# Altium PCB smart-light.PcbDoc (continued)
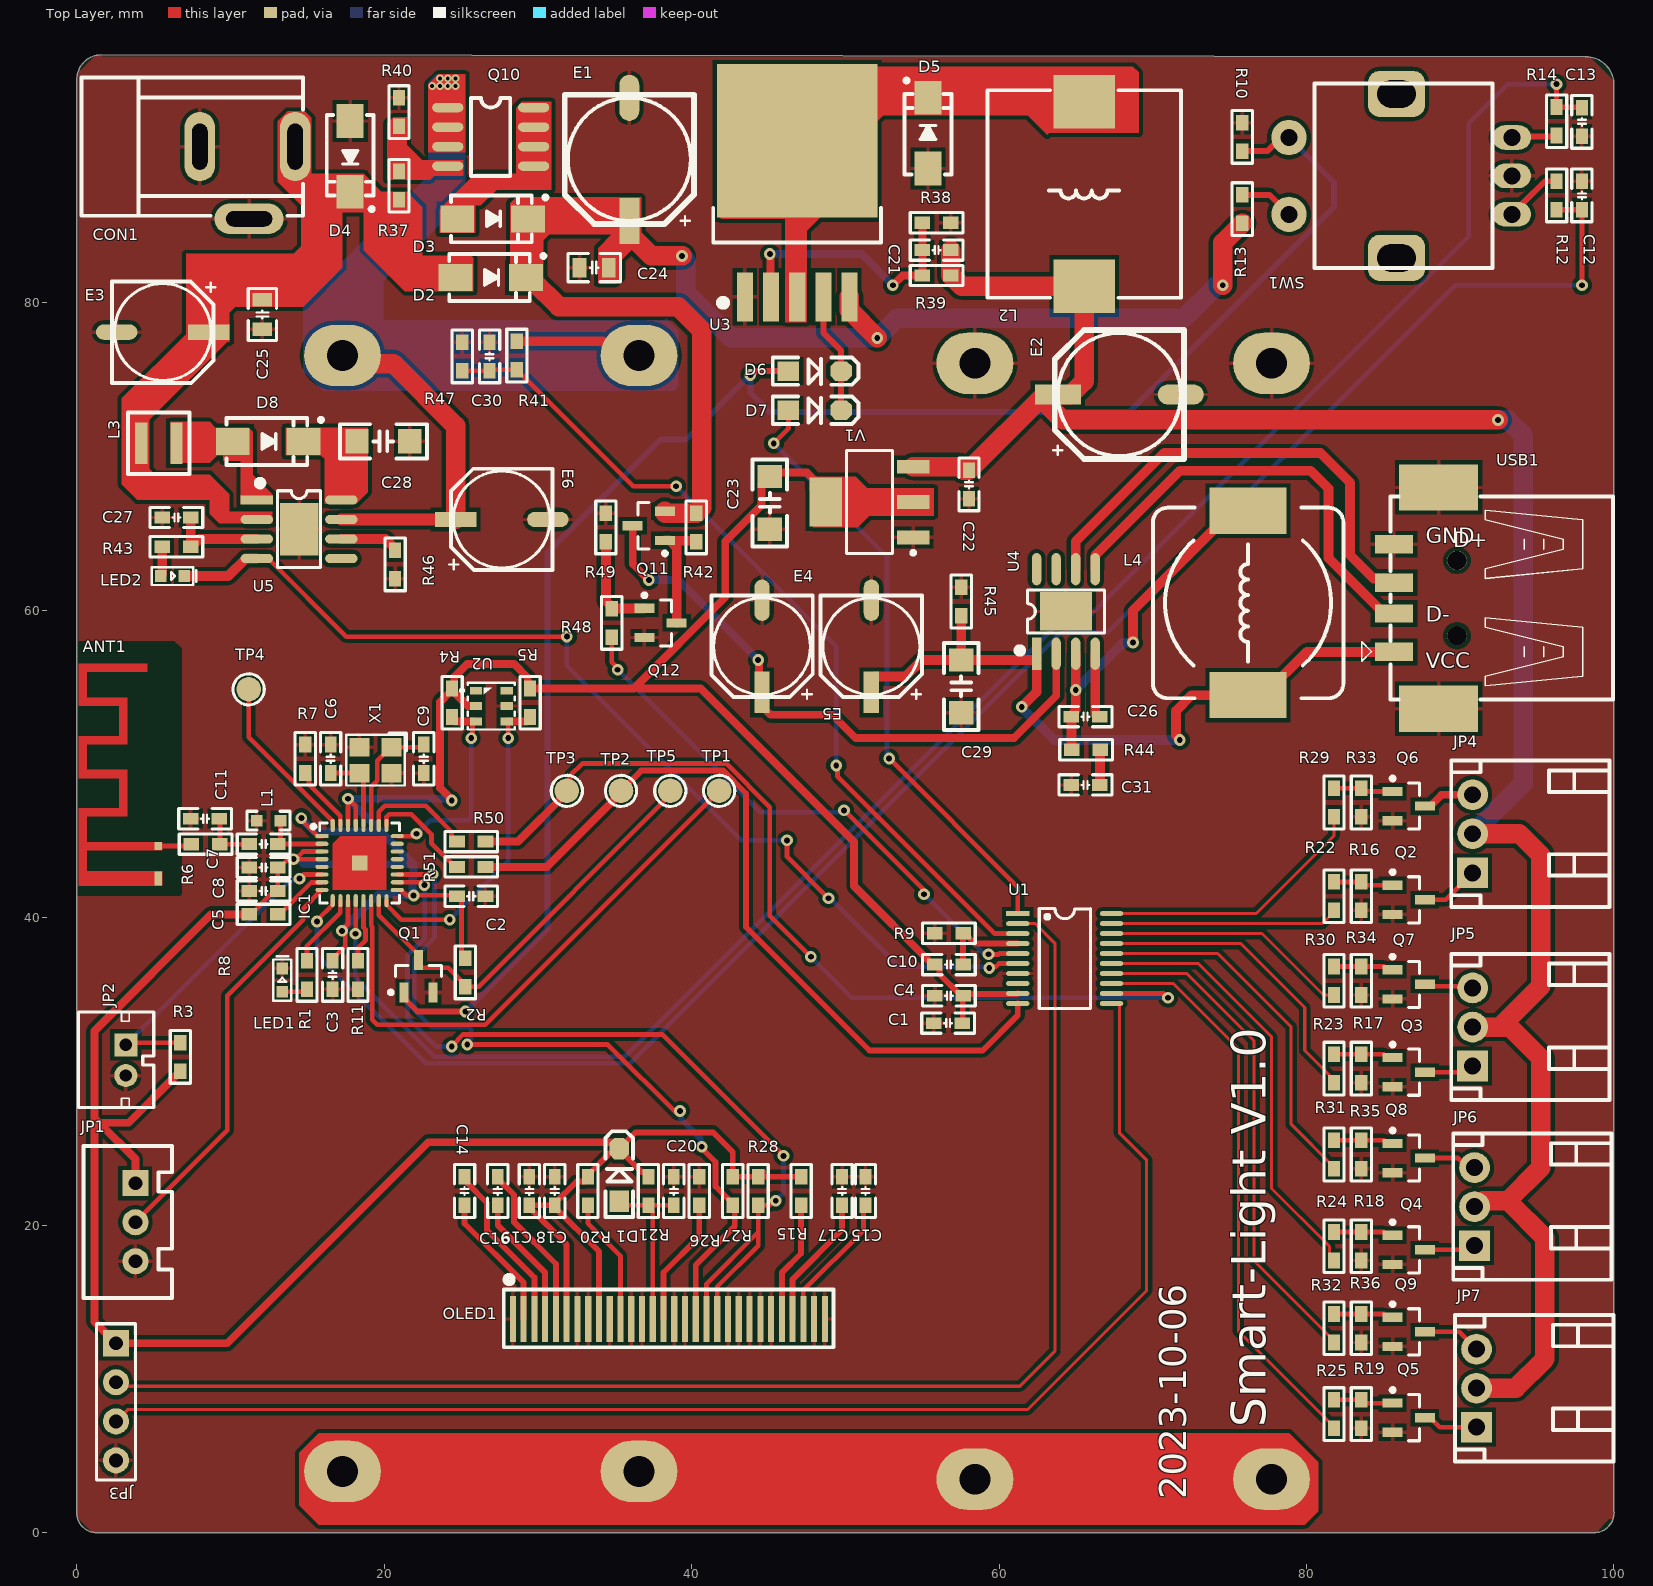
[diagram p0: Top Layer view]
## Footprints (in the part's own frame and the unit in brackets; to place one, negate y for a bottom-side part, rotate by r counter-clockwise, add the part's x,y. Pads: shape width x height; smd on the part's side, far side on the other; paste and mask are expansions set on the pad) (continued)
SMA [mm] "4.5x2.6*2.2mm（长宽高，不包括引脚）联系卖家 免费查找封装"
  rect 2.2x1.75 smd: 1(-2.3,0) 2(2.3,0)
  silkscreen extent -2.7,-1.52 3.56,1.52, body extent -2.55,-1.3 2.55,1.3, height 2.15
SOD-123 [mil] "2.7x1.6X1.1mm（长宽高，不包括引脚） 淘宝ID:黄晶宝石"
  rect 55x50 smd: 1(-67.5,0)
  oct 55x50 smd: 2(67.5,0)
  silkscreen extent -108,-35 112,35, body extent -73,-32 73,31, height 50
SOP-8 [mil] "封装库来自淘宝卖家 ID：黄晶宝石"
  oval 80x24 smd: 1(-110,75) 2(-110,25) 3(-110,-25) 4(-110,-75) 5(110,-75) 6(110,-25) 7(110,25) 8(110,75)
  silkscreen extent -50,-100 50,100, body extent -118,-98 118,98, height 75
SOT23-3N [mm] "SOT23, 3-Leads, Body 2.9x1.3mm, Pitch 0.95mm, Lead Span 2.4mm, IPC Medium Density  联系卖家 免费查找封装"
  rect 1.3x0.6 smd: 1(-1.05,0.95) 2(-1.05,-0.95) 3(1.05,0)
  silkscreen extent -1.17,-1.5 0.7,1.92, body extent -1.2,-1.5 1.2,1.5, height 1.05
SOT223_L [mm] "SOT223, 4-Leads, Body 6.5x3.5mm, Pitch 2.3mm, Lead Span 7mm, IPC High Density"
  rect 2.1x0.9 smd: 1(-2.85,2.3) 2(-2.85,0) 3(-2.85,-2.3)
  rect 2.1x3.2 smd: 4(2.85,0)
  silkscreen extent -2.98,-3.35 1.5,3.42, body extent -3.51,-3.25 3.51,3.25, height 1.65
SSD1306-30Pin [mm] "OLED-30PIN 裸屏"
  rect 0.4x3 smd: 1(-0.005,0.008) 2(0.695,0.008) 3(1.395,0.008) 4(2.095,0.008) 5(2.796,0.008) 6(3.495,0.008) 7(4.195,0.008) 8(4.896,0.008) 9(5.595,0.008) 10(6.295,0.008) 11(6.995,0.008) 12(7.695,0.008) 13(8.395,0.008) 14(9.095,0.008) 15(9.795,0.008) 16(10.495,0.008) 17(11.195,0.008) 18(11.895,0.008) 19(12.595,0.008) 20(13.295,0.008) 21(13.995,0.008) 22(14.695,0.008) 23(15.395,0.008) 24(16.095,0.008) 25(16.795,0.008) 26(17.496,0.008) 27(18.195,0.008) 28(18.895,0.008) 29(19.596,0.008) 30(20.295,0.008)
  silkscreen extent -0.6,-1.83 20.86,2.8
SWPA3015 [mm] "轮廓3mm*3mm ，焊盘间距1.5mm          淘宝ID:黄晶宝石"
  rect 0.8x2.7 smd: 1(-1.15,0) 2(1.15,0)
  silkscreen extent -2,-2 2,2, body extent -1.5,-1.5 1.5,1.5, height 1.5
"TEST 1.6" [mm] "测试点1.6mm"
  round 1.6 smd paste-1.6: 1(0,0)
  silkscreen extent -1.01,-1.02 1.02,1.02
TO263-5A [mm] "263，5脚晶体管"
  rect 1.05x3.2 smd: 1(-3.4,0.254) 2(-1.7,0.254) 3(0,0.254) 4(1.7,0.254) 5(3.4,0.254)
  rect 10.45x10 smd: 6(0,10.414)
  silkscreen extent -5.46,-0.33 5.46,6.04, body extent -5,0.24 5,13.57, height 4.5
TSSOP-20 [mm]
  rect 1.524x0.305 smd: 1(-3.05,2.925)
  oval 1.524x0.305 smd: 2(-3.05,2.275) 3(-3.05,1.625) 4(-3.05,0.975) 5(-3.05,0.325) 6(-3.05,-0.325) 7(-3.05,-0.975) 8(-3.05,-1.625) 9(-3.05,-2.275) 10(-3.05,-2.925) 11(3.05,-2.925) 12(3.05,-2.275) 13(3.05,-1.625) 14(3.05,-0.975) 15(3.05,-0.325) 16(3.05,0.325) 17(3.05,0.975) 18(3.05,1.625) 19(3.05,2.275) 20(3.05,2.925)
  silkscreen extent -1.65,-3.26 1.67,3.24, body extent -3.2,-3.25 3.2,3.25, height 1.03
USB2.0_Type-A_SMD_F_2 [mm] "USB2.0_Type-A贴片母座，无卷边"
  rect 1.2x2.5 smd: 1(-3.5,4.1) 2(-1,4.1) 3(1,4.1) 4(3.5,4.1)
  rect 3x5.15 smd: 4(-7.2,1.2) 4(7.2,1.2)
  round 1.25 hole 1.25 unplated: 7(-2.45,0) 8(2.45,0)
  silkscreen extent -6.6,-10.16 6.61,6.19, body extent -7.75,-9.9 7.75,4.8, height 6.9
XH2.54-LI-3P [mm] "接插件，3P"
  rect 1.7x1.7 hole 0.9: 1(-2.54,0)
  round 1.7 hole 0.9: 2(0,0) 3(2.54,0)
  silkscreen extent -4.95,-3.38 4.93,2.39, body extent -5.04,-3.3 5.04,2.4, height 7
XTAL-3225-4P [mm] "3.2*2.5*0.7mm(长宽高)                             淘宝ID:黄晶宝石"
  rect 1.3x1.2 smd: 1(-1.05,-0.85) 2(1.05,-0.85) 3(1.05,0.85) 4(-1.05,0.85)
  silkscreen extent -2.03,-1.75 1.91,1.65, body extent -1.6,-1.25 1.6,1.25, height 0.7

## Part data
ANT1: "PCB天线"
C1 C2 C3 C4 C5 C6 C7 C8 C9 C10 C11 C12 C13 C14 C15 C16 C17 C18 C19 C20 C21 C22 C23 C24 C25 C26 C27 C28 C29 C30 C31: library part C, "贴片电容/MLCC电容", BOM名称=无极性贴片电容, 联系下单店铺卖家 免费帮你查找封装="联系下单店铺卖家 免费技术支持"
CON1: library part DC002~DC005, "低压电源接口", BOM名称=DC电源接口, 联系下单店铺卖家 免费帮你查找封装=封装库来自淘宝卖家ID：黄晶宝石
D1 D6 D7: "开关二极管", BOM名称=高速开关二极管, 以赠品形式获赠本封装库的买家，还可联系卖家免费指导AD软件使用=封装库来自淘宝卖家ID：黄晶宝石
D2 D3 D5 D8: "肖特基二极管", BOM名称=肖特基二极管, 以赠品形式获赠本封装库的买家，还可联系卖家免费指导AD软件使用=封装库来自淘宝卖家ID：黄晶宝石
  D2 D3 D5: 属性=40V/5A
  D8: 属性=40V/1A
D4: "双向TVS VRWM 12V"
E1 E2 E3 E4 E5 E6: library part CE_SMD, "贴片电解电容", BOM名称=贴片电解电容, 联系下单店铺卖家 免费帮你查找封装="联系下单店铺卖家 免费技术支持"
IC1: "WIFI-芯片 内置Flash", BOM名称=WIFI-芯片, 联系下单店铺卖家 免费帮你查找封装=唯一出售店铺网址https://shop463601444.taobao.com
J1 J2: "18650电池盒"
JP1 JP4 JP5 JP6 JP7: library part "Header 3", "3P接插件", BOM名称=3P接插件, 封装库来自淘宝卖家ID：黄晶宝石=其他店铺购入均为盗版封装库，请立即申请退款，本店现金奖励50~200元, 联系卖家，免费查找封装=唯一出售店铺网址https://shop463601444.taobao.com
JP2: library part "Header 2", "2P接插件", BOM名称=2P接插件, 以赠品形式获赠本封装库的买家，还可联系卖家免费指导AD软件使用="联系卖家 免费技术支持", 联系卖家，免费查找封装=唯一出售店铺网址https://shop463601444.taobao.com
JP3: library part "Header 4", "4P接插件", BOM名称=4P接插件, 封装库来自淘宝卖家ID：黄晶宝石=其他店铺购入均为盗版封装库，请立即申请退款，本店现金奖励50~200元, 联系卖家，免费查找封装=唯一出售店铺网址https://shop463601444.taobao.com
L1: library part L, "贴片小功率电感", BOM名称=小功率贴片电感, 联系下单店铺卖家 免费帮你查找封装="联系下单店铺卖家 免费技术支持"
L2: library part "L-Molding Choke", "一体成型电感", BOM名称=一体成型电感, 联系下单店铺卖家 免费帮你查找封装="联系下单店铺卖家 免费技术支持"
L3: library part L-SWPA, "顺络_SWPA贴片屏蔽电感", BOM名称=功率屏蔽电感, 联系下单店铺卖家 免费帮你查找封装="联系下单店铺卖家 免费技术支持"
L4: library part L-CDRH, "CDRH功率屏蔽电感", BOM名称=功率屏蔽电感, 联系下单店铺卖家 免费帮你查找封装="联系下单店铺卖家 免费技术支持"
LED1 LED2: library part LED, "贴片LED", BOM名称=贴片LED, 封装库来自淘宝卖家：黄晶宝石=其他店铺购入均为盗版封装库，请立即申请退款，本店现金奖励200~1000元
Q1 Q12: library part 8050-SMD, "高频放大-NPN型", 8元以下特价购入的买家=还可以联系卖家远程指导AD软件使用, BOM名称=高频放大-NPN型, 参数="40V 1.5A 1W 100MHZ"
Q2 Q3 Q4 Q5 Q6 Q7 Q8 Q9: "N沟道 30V/4.2A", 8元以下特价购入的买家=还可以联系卖家远程指导AD软件使用, BOM名称=场效应管, 参数="N沟道 30V/4.2A"
Q10: "P沟道 -30V/-9A", 8元以下特价购入的买家="还可以联系卖家 远程指导AD软件使用", BOM名称=P沟道场效应管
Q11: "P沟道 30V/4.2A", 8元以下特价购入的买家=还可以联系卖家远程指导AD软件使用, BOM名称=场效应管, 参数="P沟道 30V/4.2A"
R1 R2 R3 R4 R5 R6 R7 R8 R9 R10 R11 R12 R13 R14 R15 R16 R17 R18 R19 R20 R21 R22 R23 R24 R25 R26 R27 R28 R29 R30 R31 R32 R33 R34 R35 R36 R37 R38 R39 R40 R41 R42 R43 R44 R45 R46 R47 R48 R49 R50 R51: library part R, "贴片电阻", BOM名称=贴片电阻, 联系下单店铺卖家 免费帮你查找封装="联系下单店铺卖家 免费技术支持"
SW1: "数字开关编码器", BOM名称=数字编码开关, 封装库来自淘宝卖家：黄晶宝石=其他店铺购入均为盗版封装库，请立即申请退款，本店现金奖励200~1000元, 联系卖家，免费查找封装=唯一出售店铺网址https://shop463601444.taobao.com
TP1 TP2 TP3 TP4 TP5: library part TEST, "测试点", BOM名称=测试点, 封装库来自淘宝卖家：黄晶宝石=其他店铺购入均为盗版封装库，请立即申请退款，本店现金奖励200~1000元, 联系卖家，免费查找封装=唯一出售店铺网址https://shop463601444.taobao.com
U1: "HK32F030M 系列使用 ARM® CortexTM-M0 内核，最高工作频率 32MHz，内置 16K-Byte / FLASH、448-Byte EEPROM 和 2-KByte SRAM。通过 FLASH 控制器的寄存器配置，可实 / 现中断向量在 16K-Byte 空间内的重映射。"
U2: "IIC接口 温湿度传感器"
U3: "降压芯片5A   xl4003 4A", 封装库来自淘宝卖家：黄晶宝石=其他店铺购入的买家，请立即申请退款，本店现金奖励200~1000元
U4: "快充芯片", 封装库来自淘宝卖家：黄晶宝石=其他店铺购入的买家，请立即申请退款，本店现金奖励200~1000元
U5: "2节锂电池充电芯片"
USB1: library part USB2.0_Type-A_F, "USB2.0_Type-A母座", BOM名称=USB2.0_Type-A母座, 联系下单店铺卖家 免费帮你查找封装=封装库来自淘宝卖家ID：黄晶宝石
V1: library part AMS1117, "三端稳压芯片", BOM名称=稳压芯片, 封装库来自淘宝卖家：黄晶宝石=其他店铺购入的买家，请立即申请退款，本店现金奖励200~1000元
X1: library part XTAL-4P, "4脚无源晶振(谐振器）", BOM名称=4脚无源晶振(谐振器）, 联系下单店铺卖家 免费帮你查找封装="联系下单店铺卖家 免费技术支持"

## Via types
v1: diameter 0.762, hole 0.381, Top Layer to Bottom Layer, tented both sides, 51 vias
v2: diameter 0.508, hole 0.254, Top Layer to Bottom Layer, tented both sides, 7 vias

## Nets (pads, with @x,y where several pads share a name; then routed paths per layer and width w, separated by ;. In a path a pad name is that pad's centre, name@x,y a point inside that pad or via, vN(x,y) a via of type N, cw(c..) or ccw(c..) an arc to the next point about the centre after c; other vN are vias at no path point)
5V: C21.2 C22.2 E2.1 JP4.2 JP5.2 JP6.2 JP7.2 L2.2 R39.2 V1.3 | length 141.5
  Top Layer w1.27: V1.3 57.467,69.348 57.689,69.126 C22.2 62.939,74.026 64.653,74.026 65.532,74.905 L2.2 57.558,81.091 R39.2 C21.2 ; E2.1@62.801,73.596 62.927,73.596 64.134,72.39 v1(92.456,72.39) ; JP5.2 92.583,32.893 95.25,35.56 95.25,44.069 93.853,45.466 JP4.2 ; JP6.2 91.13,21.209 91.511,21.59 93.091,21.59 ; JP7.2 93.599,9.398 95.504,11.303 95.504,19.177 93.091,21.59 ; 92.583,32.89 93.221,32.89 95.25,30.861 95.25,23.749 93.091,21.59
  Bottom Layer w1.27: JP4.2 94.107,48.768 94.107,71.374 93.091,72.39 v1(92.456,72.39)
12V: C25.2 CON1.1 D2.1 D4.2 E3.1 L3.1 R37.2 U5.2
AHT20_SCL: IC1.24 R4.1 U2.3 | length 13.4
  Top Layer w0.305: IC1.24 21.816,45.311 21.844,45.339 21.847,45.339 21.974,45.466 v1(22.098,45.466) ; v1(25.654,51.689) 25.741,51.776 25.741,52.678 25.839,52.775 U2.3
  Top Layer w0.508: R4.1 24.409,52.957 24.591,52.775 U2.3@25.839,52.775
  Bottom Layer w0.305: v1(22.098,45.466) 22.987,46.355 25.475,46.355 25.654,46.534 v1(25.654,51.689)
AHT20_SDA: IC1.16 R5.1 U2.4 | length 21
  Top Layer w0.305: IC1.16 20.143,40.852 21.117,39.878 v1(24.257,39.878) ; U2.4 27.969,52.775 28.067,52.678 v1(28.067,51.689)
  Top Layer w0.508: U2.4@27.969,52.775 29.303,52.775 29.485,52.957 R5.1
  Bottom Layer w0.305: v1(24.257,39.878) 28.067,43.688 v1(28.067,51.689)
BAT-ADC: C30.2 R41.1 R47.2 U1.3 | length 56.3
  Top Layer w0.305: R47.2 26.797,75.598 26.847,75.649 R41.1 28.625,75.541 28.873,75.293 28.981,75.293 36.202,68.072 v1(38.989,68.072) ; v1(49.403,49.911) 49.49,49.824 49.49,49.189 59.705,38.974 U1.3
  Bottom Layer w0.305: v1(38.989,68.072) 49.403,57.658 v1(49.403,49.911)
CHARGE-IO: LED2.2 U1.6 U5.4 | length 67.6
  Top Layer w0.305: U5.4 12.456,63.373 17.536,58.293 v1(31.877,58.293) ; v1(46.204,45.035) 46.204,43.966 v1(48.895,41.275) ; v1(59.359,36.738) 59.446,36.826 59.797,36.826 59.995,37.024 U1.6
  Top Layer w0.635: LED2.2 9.848,62.23 10.991,63.373 U5.4
  Bottom Layer w0.305: v1(31.877,58.293) 31.877,56.388 43.23,45.035 v1(46.204,45.035) ; v1(48.895,41.275) 49.019,41.275 49.243,41.051 49.246,41.051 53.489,36.808 59.289,36.808 v1(59.359,36.738)
ESP-GPIO0: IC1.15 Q1.3 R2.2 TP5.1 | length 27.7
  Top Layer w0.305: IC1.15 19.643,40.177 22.225,37.595 Q1.3 22.225,36.895 22.373,36.747 24.155,36.747 25.273,35.63 R2.2 26.13,35.522 38.608,48 TP5.1
ESP_UART0_RX: R51.1 TP2.1 U1.10 | length 51.5
  Top Layer w0.381: TP2.1 36.71,49.572 42.052,49.572 43.536,48.088 43.536,39.395 51.562,31.369 58.928,31.369 61.214,33.655 U1.10
  Top Layer w0.508: R51.1 30.572,43.307 TP2.1@35.398,48.133
ESP_UART0_TX: R50.1 TP3.1 U1.12 | length 61.3
  Top Layer w0.305: TP3.1@31.877,48.133 TP3.1@32.004,48.26 ; TP3.1 32.08,48.463 32.08,49.225 32.897,50.042 42.246,50.042 45.085,47.203 45.085,40.132 v1(47.752,37.465) ; U1.12 70.717,35.074 v1(70.993,34.798)
  Top Layer w0.508: R50.1 28.702,44.958 TP3.1@31.877,48.133
  Bottom Layer w0.305: v1(47.752,37.465) 50.419,34.798 v1(70.993,34.798)
ESP_UART1_TX: IC1.14 TP1.1 | length 36.8
  Top Layer w0.305: IC1.14 19.143,39.483 19.213,39.414 19.213,33.365 19.533,33.045 26.568,33.045 TP1.1
GND: ANT1.2 C1.1 C2.1 C3.1 C4.1 C5.1 C6.1 C8.1 C9.1 C11.1 C12.2 C13.1 C15.2 C17.2 C18.1 C19.1 C20.2 C22.1 C23.1 C24.1 C25.1 C27.1 C28.1 C29.1 C30.1 C31.2 CON1.2 CON1.3 D4.1 D5.1 E1.2 E2.2 E3.2 E4.2 E5.2 E6.2 IC1.33 J2.3 J2.4 JP1.3 JP2.2 JP3.4 L1.1 LED1.2 OLED1.1 OLED1.7 OLED1.8 OLED1.10 OLED1.12 OLED1.13 OLED1.16 OLED1.17 OLED1.21 OLED1.22 OLED1.23 OLED1.24 OLED1.25 OLED1.29 OLED1.30 Q1.2 Q2.2 Q3.2 Q4.2 Q5.2 Q6.2 Q7.2 Q8.2 Q9.2 Q12.2 R7.2 R9.1 R10.2 R11.2 R16.1 R17.1 R18.1 R19.1 R26.2 R33.1 R34.1 R35.1 R36.1 R38.1 R40.1 R45.2 R46.1 R47.1 R49.2 SW1.C U1.7 U2.5 U3.1 U4.9 U5.9 USB1.4 V1.1 X1.2 X1.4
LED_G: IC1.10 R1.2 | length 4.8
  Top Layer w0.305: R1.2 14.972,38.175 17.128,40.331 17.128,41.095 IC1.10
LUX: IC1.6 JP2.1 R3.1 | length 20.9
  Top Layer w0.305: JP2.1 3.329,31.877 R3.1 ; v1(14.478,42.545) 14.744,42.811 IC1.6
  Bottom Layer w0.305: JP2.1 13.909,42.458 14.391,42.458 v1(14.478,42.545)
NetANT1_1: ANT1.1 R6.1 | length 2.2
  Top Layer w0.305: ANT1.1 7.324,44.666 R6.1
NetC6_2: C6.2 IC1.28 X1.3 | length 5.4
  Top Layer w0.305: C6.2 18.36,49.416 X1.3 18.643,49.133 IC1.28
NetC7_1: C7.1 IC1.2 L1.2 | length 4.5
  Top Layer w0.305: C7.1 C7.1@13.086,44.802 ; L1.2 13.249,44.965 C7.1@13.086,44.802 ; IC1.2 15.932,44.802 C7.1@13.086,44.802
NetC7_2: C7.2 C11.2 R6.2 | length 3.6
  Top Layer w0.305: C11.2 9.305,46.406 R6.2 C7.2
NetC9_2: C9.2 IC1.27 X1.1 | length 7.8
  Top Layer w0.305: IC1.27 19.143,48.527 19.544,48.928 19.544,50.223 20.423,51.103 X1.1 22.397,51.103 C9.2
NetC14_1: C14.1 OLED1.3 | length 11.1
  Top Layer w0.381: C14.1 25.413,22.962 25.413,22.72 26.683,21.45 26.683,19.672 29.764,16.591 OLED1.3
NetC14_2: C14.2 OLED1.2 | length 9
  Top Layer w0.381: C14.2 25.222,20.117 29.064,16.275 OLED1.2
NetC15_1: C15.1 OLED1.28 | length 9.1
  Top Layer w0.305: OLED1.28 47.264,15.768 51.181,19.685 51.181,21.171 C15.1
NetC16_1: C16.1 OLED1.5 | length 10.8
  Top Layer w0.381: C16.1 27.381,23.025 28.448,21.959 28.448,20.193 31.165,17.476 OLED1.5
NetC16_2: C16.2 OLED1.4 | length 8.7
  Top Layer w0.381: C16.2 27.381,19.99 30.464,16.907 OLED1.4
NetC17_1: C17.1 OLED1.27 | length 8.7
  Top Layer w0.381: OLED1.27 46.564,16.477 49.784,19.697 C17.1
NetC20_1: C20.1 D1.1 OLED1.14 R21.2 | length 11.2
  Top Layer w0.305: D1.1 35.535,21.298 R21.2 ; OLED1.14 37.464,20.911 37.186,21.19 R21.2 ; C20.1 R21.2
NetC21_1: C21.1 R38.2 R39.1 U3.2 | length 17.3
  Top Layer w0.508: v1(45.085,83.185) 45.124,83.146 45.124,80.43 U3.2 ; v1(53.086,81.153) 53.721,81.788 R39.1 C21.1 R38.2
  Bottom Layer w0.508: v1(45.085,83.185) 51.054,83.185 v1(53.086,81.153)
NetC26_1: C26.1 U4.4 | length 4.3
  Top Layer w0.635: U4.4 66.251,53.256 66.421,53.086 C26.1
NetC26_2: C26.2 L4.2 R44.2 U4.3 | length 23.2
  Top Layer w0.635: C26.2 64.713,53.067 64.713,50.946 R44.2 ; C26.2@64.884,53.425 64.981,53.521 v1(64.981,54.821) U4.3 ; v1(68.707,57.912) 68.707,59.99 75.2,66.483 L4.2
  Bottom Layer w0.635: v1(64.981,54.821) 68.048,57.888 68.683,57.888 v1(68.707,57.912)
NetC27_2: C27.2 R43.2 U5.3 | length 6.4
  Top Layer w0.635: C27.2 R43.2 7.512,64.135 7.595,64.218 7.595,64.271 7.967,64.643 U5.3
NetC28_2: C28.2 D8.2 U5.8
NetC31_1: C31.1 R44.1 | length 2.3
  Top Layer w0.635: C31.1 66.567,48.66 66.567,50.908 R44.1
NetD3_1: D3.1 Q10.5 Q10.6 Q10.7 Q10.8
NetD5_2: D5.2 L2.1 U3.3 U3.6
NetD8_1: D8.1 L3.2 U5.1
NetE4_1: E4.1 Q11.3 U4.2 | length 40.2
  Top Layer w0.508: Q11.3 36.161,63.026 v1(37.211,61.976) ; v1(44.323,56.769) 44.372,56.72 44.372,54.863 E4.1 44.823,54.412 44.823,53.511 45.121,53.213 49.149,53.213 50.673,51.689 60.96,51.689 63.711,54.44 U4.2
  Bottom Layer w0.508: v1(37.211,61.976) 39.116,61.976 v1(44.323,56.769)
NetIC1_7: IC1.7 R8.1 | length 3.7
  Top Layer w0.305: R8.1 13.185,40.221 15.26,42.296 15.927,42.296 IC1.7
NetIC1_13: IC1.13 R11.1 | length 4.2
  Top Layer w0.305: R11.1 18.288,38.046 18.781,38.539 18.781,39.235 18.643,39.373 IC1.13
NetIC1_25: IC1.25 R51.2 | length 7
  Top Layer w0.305: IC1.25 20.143,46.557 20.322,46.736 21.762,46.736 23.067,45.431 23.067,44.859 24.619,43.307 R51.2
NetIC1_26: IC1.26 R50.2 | length 7.3
  Top Layer w0.305: IC1.26 19.643,46.894 20.044,47.295 22.682,47.295 24.371,45.606 24.371,45.206 24.619,44.958 R50.2
NetIC1_31: IC1.31 R7.1 | length 4.3
  Top Layer w0.305: R7.1 15.107,49.168 15.107,48.647 17.128,46.626 17.128,46.027 IC1.31
NetJ1_3: J1.3 J1.4 J2.1 J2.2
NetJP4_1: JP4.1 Q2.3 | length 3.8
  Top Layer w0.305: Q2.3 89.05,41.171 JP4.1
NetJP4_3: JP4.3 Q6.3 | length 3.4
  Top Layer w0.508: Q6.3 88.048,47.264 88.79,48.006 JP4.3
NetJP5_1: JP5.1 Q3.3 | length 3.3
  Top Layer w0.305: Q3.3 90.406,29.954 JP5.1
NetJP5_3: JP5.3 Q7.3 | length 3.2
  Top Layer w0.305: Q7.3 87.816,35.551 90.687,35.551 JP5.3
NetJP6_1: JP6.1 Q4.3 | length 3.3
  Top Layer w0.305: Q4.3 90.66,18.397 JP6.1
NetJP6_3: JP6.3 Q8.3 | length 3.5
  Top Layer w0.305: Q8.3 89.856,24.366 90.473,23.749 JP6.3
NetJP7_1: JP7.1 Q5.3 | length 3.6
  Top Layer w0.305: Q5.3 88.048,7.475 88.665,6.858 JP7.1
NetJP7_3: JP7.3 Q9.3 | length 3.8
  Top Layer w0.305: Q9.3 89.934,13.063 JP7.3
NetLED1_1: LED1.1 R1.1 | length 1.7
  Top Layer w0.305: LED1.1 14.797,35.181 R1.1
NetLED2_1: LED2.1 R43.1 | length 1.9
  Top Layer w0.635: LED2.1 5.55,62.319 R43.1
NetOLED1_11: OLED1.11 R20.1 | length 8.3
  Top Layer w0.305: R20.1 33.249,20.136 35.364,18.02 OLED1.11
NetOLED1_15: OLED1.15 R26.1 | length 8.4
  Top Layer w0.381: OLED1.15 38.164,16.925 40.488,19.249 R26.1
NetOLED1_26: OLED1.26 R15.2 | length 7.9
  Top Layer w0.381: OLED1.26 45.865,16.909 47.117,18.161 R15.2
NetQ2_1: Q2.1 R16.2 R22.2 | length 3.9
  Top Layer w0.305: R22.2 R16.2 83.777,42.121 Q2.1
NetQ3_1: Q3.1 R17.2 R23.2 | length 3.9
  Top Layer w0.305: R23.2 R17.2 85.037,31.115 85.248,30.904 Q3.1
NetQ4_1: Q4.1 R18.2 R24.2 | length 3.9
  Top Layer w0.305: R24.2 R18.2 85.037,19.558 85.248,19.347 Q4.1
NetQ5_1: Q5.1 R19.2 R25.2 | length 3.9
  Top Layer w0.305: R25.2 R19.2 83.777,8.425 Q5.1
NetQ6_1: Q6.1 R29.2 R33.2 | length 3.9
  Top Layer w0.305: R29.2 R33.2 83.777,48.214 Q6.1
NetQ7_1: Q7.1 R30.2 R34.2 | length 3.9
  Top Layer w0.305: R30.2 R34.2 85.037,36.83 85.248,36.619 Q7.1
NetQ8_1: Q8.1 R31.2 R35.2 | length 3.9
  Top Layer w0.305: R31.2 R35.2 85.037,25.527 85.248,25.316 Q8.1
NetQ9_1: Q9.1 R32.2 R36.2 | length 3.9
  Top Layer w0.305: R32.2 R36.2 85.037,14.224 85.248,14.013 Q9.1
NetQ10_4: Q10.4 R37.1 R40.2
NetQ11_1: Q11.1 Q12.3 R42.1 | length 7.6
  Top Layer w0.635: Q11.1 38.576,64.554 Q11.1@38.593,64.537 ; Q12.3 39.023,64.107 Q11.1@38.593,64.537 ; R42.1 40.229,64.537 Q11.1@38.593,64.537
NetQ12_1: Q12.1 R48.1 R49.1 | length 6.7
  Top Layer w0.635: R49.1 34.417,60.598 34.798,60.217 R48.1 34.809,60.121 36.912,60.121 Q12.1
NetR12_2: R12.2 SW1.A | length 3.9
  Top Layer w0.381: SW1.A 93.476,85.765 94.039,86.328 94.039,86.448 95.513,87.922 R12.2
NetR13_2: R13.2 SW1.2 | length 3.6
  Top Layer w0.381: R13.2 77.588,87.033 SW1.2
NetR14_2: R14.2 SW1.B | length 3
  Top Layer w0.381: SW1.B 93.42,90.829 96.202,90.829 R14.2
NetR46_2: R46.2 U5.6 | length 3.9
  Top Layer w0.635: U5.6 20.085,64.643 20.701,64.027 R46.2
NRST: C10.1 R9.2 U1.4 | length 5.9
  Top Layer w0.381: C10.1 R9.2 57.766,38.989 58.431,38.324 U1.4
OLED-SCL: IC1.19 OLED1.18 R27.2 | length 48.8
  Top Layer w0.305: IC1.19 23.126,42.811 v1@23.241,42.926 ; v1(25.4,31.75) 34.544,31.75 v1@39.052,27.241
  Top Layer w0.381: OLED1.18 40.264,17.404 42.799,19.939 42.799,21.171 R27.2 42.672,21.406 41.551,22.527 41.551,24.108 40.64,25.019 40.64,25.097 v1(40.65,25.107)
  Bottom Layer w0.305: v1(23.147,42.832) 23.234,42.744 23.234,42.432 23.266,42.399 23.266,38.701 21.946,37.381 21.946,34.013 23.065,32.893 25.475,32.893 25.654,32.714 25.654,32.128 25.4,31.874 v1(25.4,31.75)
  Bottom Layer w0.381: v1(39.243,27.432) 39.303,27.372 39.303,26.907 40.584,25.626 40.584,25.173 v1(40.65,25.107)
OLED-SDA: IC1.18 OLED1.19 OLED1.20 R28.2 | length 59.8
  Top Layer w0.305: IC1.18 22.427,42.311 22.606,42.132 v1(22.606,42.126) ; v1(24.384,31.623) 24.384,31.632 24.782,32.03 24.782,32.071 25.121,32.41 38.075,32.41 v1(45.974,24.511) ; OLED1.19 40.964,16.199 44.323,19.558 ; OLED1.20 41.664,16.01 44.323,18.669 44.323,19.558 ; v1(45.466,21.59) 45.368,21.59 45.076,21.298 R28.2 44.323,19.558
  Bottom Layer w0.305: v1(22.606,42.126) 22.631,42.1 22.631,38.677 21.514,37.56 21.514,33.477 23.368,31.623 v1(24.384,31.623) ; v1(45.466,21.59) 45.974,22.098 v1(45.974,24.511)
RADAR: IC1.8 JP1.2 | length 26.6
  Top Layer w0.305: JP1.2 9.779,26.162 9.779,34.925 14.732,39.878 14.732,40.601 IC1.8
RST: IC1.32 TP4.1 | length 11.1
  Top Layer w0.305: TP4.1 11.176,51.736 16.642,46.27 IC1.32
SW-A: C12.1 IC1.9 R12.1 | length 116.7
  Top Layer w0.305: v1(15.617,39.755) 15.621,39.758 15.621,39.831 16.642,40.852 IC1.9 ; v1(97.917,81.153) C12.1
  Top Layer w0.381: R12.1 C12.1
  Bottom Layer w0.305: v1(15.617,39.755) 15.617,37.596 22.682,30.531 35.992,30.531 64.033,58.572 67.081,58.572 89.662,81.153 v1@97.891,81.153
SW-B: C13.2 IC1.12 R14.1 | length 119
  Top Layer w0.305: v1(18.12,38.961) 18.143,38.984 IC1.12 ; R14.1 v1(96.266,94.234)
  Top Layer w0.381: R14.1 96.285,92.729 97.898,92.729 C13.2
  Bottom Layer w0.305: v1(18.12,38.961) 18.12,36.109 23.266,30.963 35.641,30.963 63.683,59.004 65.231,59.004 90.551,84.324 90.551,91.694 93.091,94.234 v1(96.266,94.234)
SWCLK: JP3.3 U1.11 | length 90.5
  Top Layer w0.203: JP3.3 3.302,8.001 61.849,8.001 69.596,15.748 69.596,24.236 67.822,26.01 67.822,34.377 67.775,34.424 U1.11
SWDIO: JP3.2 U1.2 | length 91.6
  Top Layer w0.203: JP3.2 2.794,9.525 61.349,9.525 63.627,11.803 63.627,38.354 62.357,39.624 U1.2
SWITCH: D6.1 Q1.1 R10.1 SW1.1 | length 111.7
  Top Layer w0.381: Q1.1 21.384,35.036 21.384,34.685 22.161,33.909 v1(25.273,33.909) ; v1(43.815,75.311) 43.918,75.311 44.172,75.565 D6.1 ; R10.1 77.45,89.878 78.337,90.765 SW1.1
  Bottom Layer w0.381: v1(25.273,33.909) 30.607,39.243 30.607,63.754 37.973,71.12 39.624,71.12 v1(43.815,75.311) 43.815,74.168 45.085,72.898 68.453,72.898 81.788,86.233 81.788,87.833 SW1.1
SYS-EN: D6.2 D7.2 U3.4 | length 7.8
  Top Layer w0.381: U3.4 48.563,78.056 49.721,76.899 D6.2 D7.2
SYS-POWER: D7.1 U1.1 | length 39.7
  Top Layer w0.305: v1(45.339,70.866) 46.291,71.819 D7.1 ; v1(52.845,50.369) 61.214,42 U1.1
  Bottom Layer w0.305: v1(45.339,70.866) 52.705,63.5 52.705,50.509 v1(52.845,50.369)
USB-DN: U4.5 USB1.2 | length 29.1
  Top Layer w0.635: U4.5 66.251,63.584 71.755,69.088 80.264,69.088 81.43,67.922 81.43,63.405 85.039,59.796 USB1.2
USB-DP: U4.6 USB1.3 | length 31.1
  Top Layer w0.635: U4.6 64.981,64.473 70.739,70.231 80.908,70.231 82.832,68.307 82.832,63.599 84.352,62.079 85.406,62.079 USB1.3
USB-EN: R48.2 U1.5 | length 36.3
  Top Layer w0.305: R48.2 34.798,56.639 35.179,56.258 v1(35.179,56.134) ; v1(49.911,46.99) 55.118,41.783 v1(55.118,41.529) ; v1(59.303,37.626) 59.318,37.611 59.963,37.611 60.026,37.674 U1.5
  Bottom Layer w0.305: v1(35.179,56.134) 44.45,46.863 49.784,46.863 v1(49.911,46.99) ; v1(55.118,41.529) 58.934,37.713 59.215,37.713 v1(59.303,37.626)
VBAT: E6.1 J1.1 J1.2 Q10.1 Q10.2 Q10.3 R41.2 U5.7 | length 31.1
  Top Layer w0.635: R41.2 34.243,77.503 35.165,76.581 J1.2
  Top Layer w0.762: U5.7 E6.1
  Top Layer w1.27: J1.1 17.798,76.059 20.588,76.059 24.638,72.009 E6.1
  other v2: 23.114,94.107 23.622,94.107 24.13,94.107 24.638,94.107 23.622,94.615 24.13,94.615 24.638,94.615
VBUS: C29.2 E5.1 L4.1 R45.1 U4.1 USB1.1 | length 47.5
  Top Layer w0.635: E5.1 51.689,55.508 51.872,55.691 53.921,55.691 54.999,56.769 C29.2 ; R45.1 C29.2 ; v1(61.468,53.721) 62.441,54.694 U4.1@62.441,56.446 ; U4.1 62.441,56.787 62.423,56.769 C29.2 ; v1(71.755,51.562) 71.755,51.596 71.501,51.85 71.501,53.467 72.517,54.483 L4.1 77.2,54.483 80.013,57.296 USB1.1
  Bottom Layer w0.635: v1(61.468,53.721) 61.468,53.687 63.593,51.562 v1(71.755,51.562)
VCC: C1.2 C2.2 C3.2 C4.2 C5.2 C8.2 C10.2 C18.2 C19.2 C23.2 D1.2 IC1.1 IC1.3 IC1.4 IC1.11 IC1.17 IC1.29 IC1.30 JP1.1 JP3.1 OLED1.6 OLED1.9 R2.1 R3.2 R4.2 R5.2 R8.2 R15.1 R20.2 R21.1 R27.1 R28.1 U1.9 U2.2 V1.2 V1.4 | length 270.1
  Top Layer w0.305: R8.2 11.331,40.221 12.626,41.516 12.849,41.516 C5.2 C8.2 13.204,43.269 13.663,43.728 14.01,43.728 v1(14.097,43.815) ; v1(14.605,46.482) 14.605,46.39 15.684,45.312 IC1.1 ; IC1.4 15.94,43.813 14.099,43.813 v1(14.097,43.815) ; IC1.3 14.717,44.311 14.221,43.815 v1(14.097,43.815) ; C3.2 16.637,37.338 17.46,38.161 v1@17.46,39.148 ; v1@17.46,39.408 17.643,39.59 IC1.11 ; IC1.30 v1(17.643,47.742) 18.143,47.241 IC1.29 ; IC1.17@21.116,41.796 21.465,41.447 21.902,41.447 v1(21.908,41.453) ; v1@22.016,41.447 22.098,41.529 22.162,41.465 24.663,41.465 C2.2 ; C2.2@24.797,41.402 25.025,41.173 25.025,37.624 R2.1
  Top Layer w0.381: C18.2@30.963,21.298 C19.2 29.439,21.171 31.864,18.745 OLED1.6 ; C18.2@31.026,21.234 33.964,18.296 OLED1.9 ; C18.2 31.09,21.425 32.499,22.835 33.039,22.835 33.249,23.044 R20.2 33.249,23.26 34.667,24.679 34.979,24.679 D1.2 ; R21.1 37.186,23.26 36.976,23.47 36.728,23.47 35.281,24.917 D1.2 ; R28.1@44.64,23.47 44.533,23.47 44.323,23.26 R28.1 ; R15.1 R28.1 ; C10.2@55.931,36.957 56.121,36.767 56.121,36.335 57.531,34.925 C4.2 ; C1.2 57.633,33.172 57.633,34.9 C4.2 ; U1.9 61.176,35.036 57.769,35.036 C4.2 ; D1.2 36.335,26.035 41.402,26.035 42.672,24.765 R27.1 R28.1
  Top Layer w0.508: JP1.1 3.81,24.301 1.441,26.67 ; R3.2 6.731,29.915 6.585,29.769 6.477,29.769 3.378,26.67 1.441,26.67 ; R8.2 8.725,40.221 1.143,32.639 1.143,26.968 ; v1(24.384,47.625) 24.384,47.694 23.628,48.45 23.628,54.03 24.263,54.665 24.263,54.773 24.555,55.065 24.555,55.67 25.4,56.515 28.448,56.515 29.339,55.624 29.339,55.065 R5.2 36.249,54.919 42.185,60.855 42.185,64.479 44.539,66.833 44.539,68.199 45.047,68.707 C23.2 45.339,68.961 47.498,68.961 47.916,68.543 47.916,67.844 V1.4 ; R4.2@24.409,54.811 25.441,53.779 25.957,53.779 U2.2 ; D1.2 35.175,24.981 34.756,25.4 22.86,25.4 9.779,12.319 JP3.1 1.143,13.716 1.143,26.968 ; 36.575,54.919 40.585,54.919 50.562,44.942 50.562,42.072 55.681,36.953 C10.2@55.77,36.953 ; 1.143,26.968 1.441,26.67
  Bottom Layer w0.508: v1(14.097,43.815) 14.146,43.766 14.496,43.766 14.776,43.487 21.897,43.487 ; v1(14.605,46.482) 15.473,45.614 19.77,45.614 ; v1(17.251,39.148) 17.251,39.17 19.61,41.529 20.687,41.529 20.763,41.453 v1(21.908,41.453) ; v1@22.098,41.529 21.844,41.783 21.844,42.608 21.897,42.662 21.897,43.487 ; v1(24.384,47.625) 24.335,47.674 24.156,47.674 24.088,47.742 v1(17.643,47.742) 19.77,45.614 ; 19.77,45.614 21.897,43.487
VIN: C24.2 D2.2 D3.2 E1.1 Q11.2 R13.1 R42.2 U3.5 | length 79.9
  Top Layer w1.27: D2.2 29.464,81.421 29.689,81.421 31.354,79.756 39.116,79.756 40.64,78.232 40.64,66.674 R42.2 38.276,66.327 38.261,66.342 Q11.2 ; E1.1 35.956,85.329 35.956,84.479 37.377,83.058 v1(39.37,83.058) ; U3.5 50.263,79.536 52.07,77.729 v1(52.07,77.724) ; v1(74.549,81.153) 74.549,83.909 R13.1
  Bottom Layer w1.27: v1(39.37,83.058) 39.624,82.804 39.624,80.645 42.545,77.724 v1(52.07,77.724) 53.34,78.994 72.009,78.994 74.168,81.153 v1(74.549,81.153)
WHITE1: R22.1 U1.19 | length 14.9
  Top Layer w0.203: U1.19 81.042,39.624 81.788,40.37 R22.1
WHITE2: R23.1 U1.17 | length 20
  Top Layer w0.203: U1.17 75.722,38.324 79.883,34.163 79.883,31.369 81.49,29.762 81.49,29.559 R23.1
WHITE3: R24.1 U1.15 | length 28.6
  Top Layer w0.203: U1.15 72.958,37.024 77.724,32.258 77.724,22.391 81.49,18.625 81.49,18.002 R24.1
WHITE4: R25.1 U1.13 | length 37.3
  Top Layer w0.203: U1.13 71.337,35.724 75.565,31.496 75.565,13.113 81.788,6.89 R25.1
YELLOW1: R29.1 U1.20 | length 17.8
  Top Layer w0.203: U1.20 76.723,40.274 81.788,45.339 R29.1
YELLOW2: R30.1 U1.18 | length 16.1
  Top Layer w0.203: U1.18 77.104,38.974 81.102,34.976 R30.1
YELLOW3: R31.1 U1.16 | length 24
  Top Layer w0.203: U1.16 74.213,37.674 78.994,32.893 78.994,26.575 81.788,23.781 R31.1
YELLOW4: R32.1 U1.14 | length 32.9
  Top Layer w0.203: U1.14 72.211,36.374 76.581,32.004 76.581,17.685 81.788,12.478 R32.1
pads on no net: IC1.5 IC1.20 IC1.21 IC1.22 IC1.23 SW1.0 U1.8 U2.1 U2.6 U4.7 U4.8 U4.10 U4.11 U5.5 U5.10 U5.11 USB1.7 USB1.8

## Polygon pours and split planes (outlines as drawn)
GND on Bottom Layer "GND_L02_P001" (solid, pour order 1): 1.587,96.075 98.361,96.075 100.076,94.361 100.076,1.143 99.949,1.143 98.806,0 0.889,0 0.889,0.127 0,1.016 0,41.402 6.35,41.402 6.477,41.275 6.604,41.402 6.604,57.785 6.35,58.039 0.127,58.039 0.127,94.742 0,94.869 1.27,96.139 1.524,96.139
GND on Top Layer "GND_L01_P000" (solid, pour order 0): 1.524,96.139 1.651,96.012 98.425,96.012 99.949,94.488 99.949,0.889 99.695,0.889 98.806,0 0.889,0 0.889,0.127 0,1.016 0,41.402 6.731,41.402 6.858,41.529 6.858,57.531 6.35,58.039 0.127,58.039 0.127,94.742 0,94.869 1.27,96.139

## Other copper
Top Layer:
  region net VCC: 47.916,68.543 47.916,65.442 47.879,65.405 50.8,65.405 51.562,66.167 55.753,66.167 55.753,67.945 51.435,67.945 50.673,68.707 48.08,68.707
  region net NetJ1_3: 14.478,5.207 14.478,1.778 15.748,0.508 79.883,0.508 80.772,1.397 80.772,4.572 78.867,6.477 15.748,6.477
  region net NetC28_2: 13.589,71.882 13.589,70.104 15.875,70.104 16.129,69.85 16.129,66.929 18.161,66.929 18.923,67.691 18.923,71.882
  region net NetD8_1: 10.668,66.929 10.668,69.723 9.525,69.723 9.525,71.882 11.176,71.882 11.43,71.628 11.43,68.834 12.7,67.564 12.7,66.929
  region net NetD8_1: 6.096,72.263 6.096,69.596 8.636,69.596 9.144,70.104 11.176,70.104 11.176,71.882 9.017,71.882 8.636,72.263
  region net NetD5_2: 46.101,78.74 47.498,78.74 47.498,84.709 48.387,85.598 52.07,85.598 52.07,91.821 52.451,92.202 61.849,92.202 63.119,90.932 63.246,91.059 69.088,91.059 69.088,94.996 68.707,95.377 41.656,95.377 41.656,85.725 41.91,85.471 46.101,85.471 46.101,84.328
  region net VIN: 28.194,80.772 30.353,80.772 30.353,84.074 30.734,84.455 34.798,84.455 33.909,83.566 33.909,81.28 35.052,81.28 35.433,81.661 35.433,82.804 36.703,84.074 36.703,86.868 28.575,86.868 28.194,86.487
  region net 12V: 2.921,72.39 2.921,68.199 3.937,67.183 8.636,67.183 8.636,66.294 9.271,65.659 12.7,65.659 12.7,66.421 9.906,66.421 9.906,67.564 8.636,68.834 5.08,68.834 4.699,69.215 4.699,72.39
  region net 12V: 7.112,78.867 7.112,77.978 2.921,73.787 2.921,69.723 3.429,69.215 4.699,69.215 4.699,72.39 9.779,77.47 9.906,77.47 9.906,78.867
  region net 12V: 14.605,88.392 14.605,83.693 14.097,83.185 7.112,83.185 7.112,77.724 7.366,77.47 9.906,77.47 9.906,79.375 10.287,79.756 14.732,79.756 17.272,82.296 17.272,88.392
  region net NetD3_1: 28.956,93.091 28.575,92.71 28.575,88.392 25.908,88.392 23.622,86.106 23.622,84.582 25.908,84.582 25.908,86.36 26.289,86.36 27.305,87.376 30.861,87.376 30.861,93.091
  region net NetQ10_4: 20.574,92.075 20.193,91.694 20.193,88.011 22.987,88.011 23.241,88.265 25.146,88.265 25.146,89.281 22.479,89.281 21.463,90.297 21.463,92.075
  region net VBAT: 22.86,89.789 22.86,94.234 23.495,94.869 25.273,94.869 25.273,89.789
  region net 12V: 18.669,88.392 18.669,83.439 21.336,80.772 25.781,80.772 25.781,82.931 25.654,83.058 22.479,83.058 22.479,86.233 21.463,87.249 19.812,87.249
  region net 12V: 13.716,92.456 13.081,91.821 13.081,87.884 15.05,85.915 21.615,85.915 21.615,87.097 21.463,87.249 19.812,87.249 18.669,88.392 15.24,88.392 15.24,92.056 14.84,92.456
Bottom Layer:
  region net VBAT: 14.732,77.597 14.732,75.565 16.002,74.295 19.939,74.295 19.939,81.407 25.273,86.741 25.273,94.869 23.368,94.869 22.86,94.361 22.86,88.265 14.732,80.137 14.732,75.565
  region net VBAT: 14.732,77.597 14.732,75.565 16.002,74.295 38.862,74.295 39.116,74.549 39.116,78.232 38.354,78.994 38.227,78.867 16.002,78.867

## Silkscreen, mask and mechanical layers (free items; w line width, h text height)
Top Overlay:
  text "Smart-Light V1.0" at 78.102,6.858 h3.81 r90
  text "2023-10-06" at 72.775,2.159 h3 r90
Mechanical 1:
  lines w0.254: 0,1.27 0,94.488 ; 1.27,0 98.806,0 ; 1.524,96.139 98.171,96.012 ; 100,1.397 100,94.234
Mechanical 13:
  lines w0.254: 0,1.27 ccw(c1.27,1.27) 1.27,0 ; 0,94.488 cw(c1.587,94.551) 1.524,96.139 ; 98.171,96.012 cw(c98.196,94.209) 100,94.234 ; 98.806,0 ccw(c98.705,1.296) 100,1.397

## Text inside footprints (layer, text, board x,y; h text height)
J1: Bottom Overlay "-" at 16.287,9.789 h7 r270; Bottom Overlay "+" at 16.414,68.463 h7 r270; Bottom Overlay "-" at 36.734,9.789 h7 r270; Bottom Overlay "+" at 36.226,68.463 h7 r270
J2: Bottom Overlay "+" at 58.774,11.591 h7 r90; Bottom Overlay "-" at 58.266,70.265 h7 r90; Bottom Overlay "+" at 78.586,11.591 h7 r90; Bottom Overlay "-" at 78.713,70.265 h7 r90
USB1: Top Overlay "GND" at 87.757,64.352 h1.02; Top Overlay "D+" at 89.535,64.098 h1.02; Top Overlay "D-" at 87.757,59.272 h1.02; Top Overlay "VCC" at 87.757,56.224 h1.02